# KiCad board netrazr_rev2.kicad_pcb (continued)
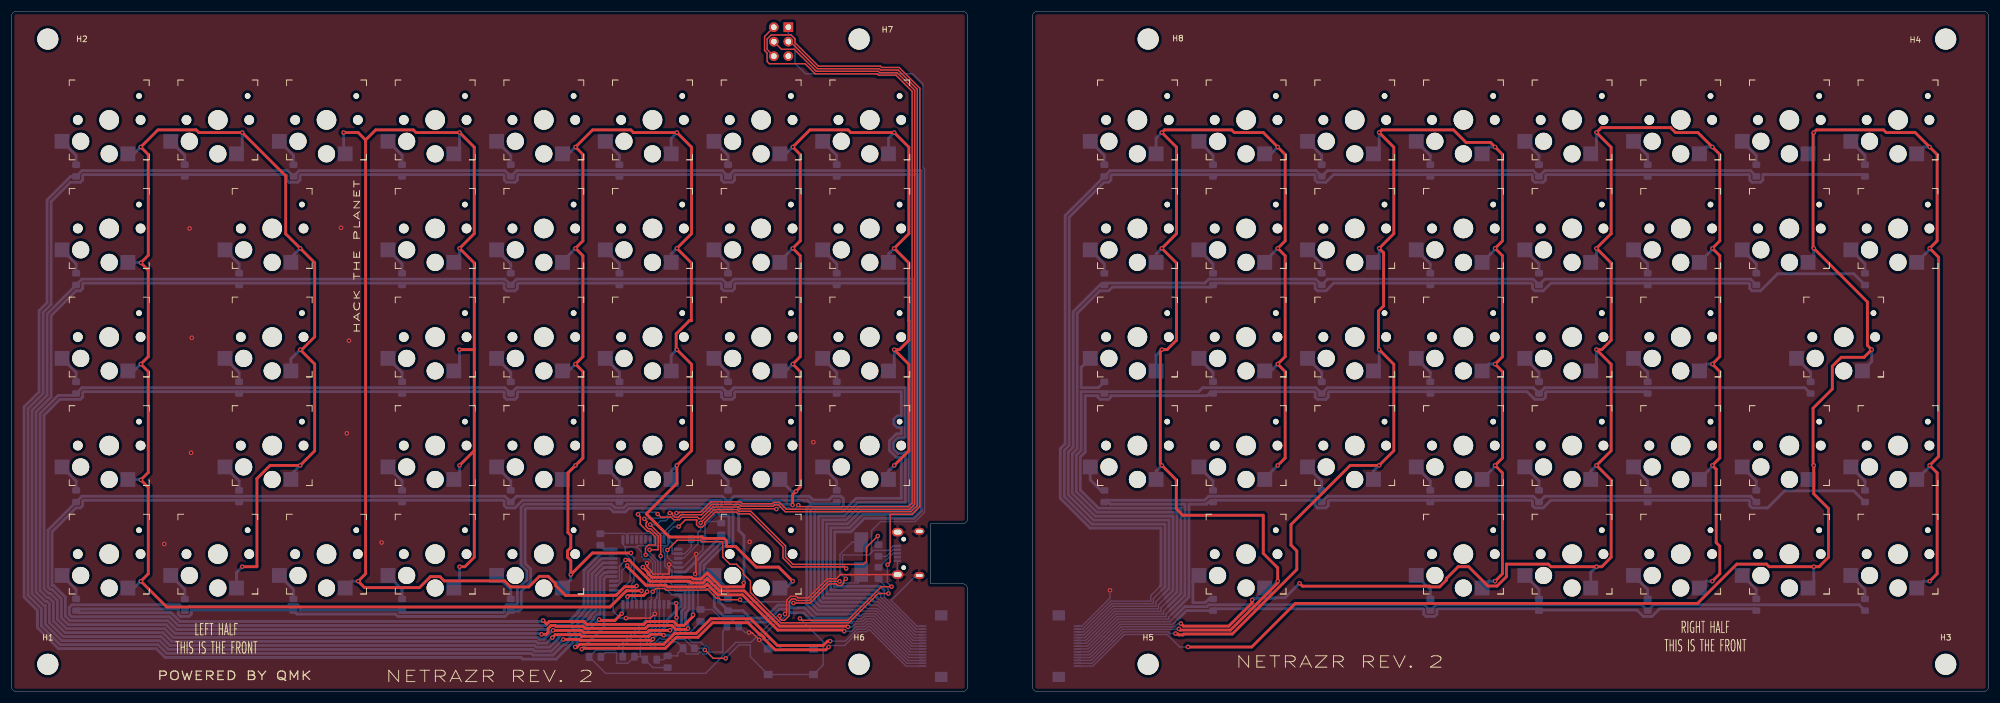
[diagram p0: board, top side]
## Routing (per net, layer and track width the routed paths; a pad name or vN(x,y) marks a point on that pad's centre or on a via; arc(x,y) is an arc through that point) (continued)
Net-(D17-Pad2): length 5.1
  Bottom w0.5: K17.2 39.92,75.06 D17.2
Net-(D18-Pad2): length 5.1
  Bottom w0.5: K18.2 68.5,75.06 D18.2
Net-(D19-Pad2): length 5.1
  Bottom w0.5: D19.2 87.55,75.06 K19.2
Net-(D20-Pad2): length 5.1
  Bottom w0.5: D20.2 106.6,75.06 K20.2
Net-(D21-Pad2): length 5.1
  Bottom w0.5: K21.2 125.64,75.06 D21.2
Net-(D22-Pad2): length 5.1
  Bottom w0.5: K22.2 144.69,75.06 D22.2
Net-(D23-Pad2): length 5.1
  Bottom w0.5: D23.2 191.62,75.06 K23.2
Net-(D24-Pad2): length 5.1
  Bottom w0.5: D24.2 210.67,75.06 K24.2
Net-(D25-Pad2): length 5.1
  Bottom w0.5: K25.2 229.71,75.06 D25.2
Net-(D26-Pad2): length 5.1
  Bottom w0.5: D26.2 248.76,75.06 K26.2
Net-(D27-Pad2): length 5.1
  Bottom w0.5: D27.2 267.81,75.06 K27.2
Net-(D28-Pad2): length 5.1
  Bottom w0.5: D28.2 286.87,75.06 K28.2
Net-(D29-Pad2): length 5.1
  Bottom w0.5: D29.2 305.91,75.06 K29.2
Net-(D30-Pad2): length 5.1
  Bottom w0.5: K30.2 324.96,75.06 D30.2
Net-(D31-Pad2): length 5.1
  Bottom w0.5: 11.35,54.36 11.35,56 K31.2
Net-(D32-Pad2): length 5.1
  Bottom w0.5: 39.92,54.36 39.92,56 K32.2
Net-(D33-Pad2): length 5.1
  Bottom w0.5: K33.2 68.5,56 68.5,54.36
Net-(D34-Pad2): length 5.1
  Bottom w0.5: 87.55,54.36 87.55,56 K34.2
Net-(D35-Pad2): length 5.1
  Bottom w0.5: K35.2 106.6,56 106.6,54.36
Net-(D36-Pad2): length 5.1
  Bottom w0.5: K36.2 125.64,56 125.64,54.36
Net-(D37-Pad2): length 5.1
  Bottom w0.5: 144.69,54.36 144.69,56 K37.2
Net-(D38-Pad2): length 10.3
  Bottom w0.5: K38.2 187.54,56.88 187.54,53.34 190.59,53.34 191.62,54.36
Net-(D39-Pad2): length 5.1
  Bottom w0.5: K39.2 210.67,56 210.67,54.36
Net-(D40-Pad2): length 5.1
  Bottom w0.5: K40.2 229.71,56 229.71,54.36
Net-(D41-Pad2): length 5.1
  Bottom w0.5: 248.76,54.36 248.76,56 K41.2
Net-(D42-Pad2): length 5.1
  Bottom w0.5: 267.81,54.36 267.81,56 K42.2
Net-(D43-Pad2): length 5.1
  Bottom w0.5: 286.87,54.36 286.87,56 K43.2
Net-(D44-Pad2): length 5.1
  Bottom w0.5: 312.96,58.48 315.44,56 315.44,54.36
Net-(D45-Pad2): length 5.1
  Bottom w0.5: D45.2 11.35,36.96 K45.2
Net-(D46-Pad2): length 5.1
  Bottom w0.5: D46.2 39.92,36.96 K46.2
Net-(D47-Pad2): length 5.1
  Bottom w0.5: K47.2 68.5,36.96 D47.2
Net-(D48-Pad2): length 5.1
  Bottom w0.5: D48.2 87.55,36.96 K48.2
Net-(D49-Pad2): length 5.1
  Bottom w0.5: K49.2 106.6,36.96 D49.2
Net-(D50-Pad2): length 5.1
  Bottom w0.5: K50.2 125.64,36.96 D50.2
Net-(D51-Pad2): length 5.1
  Bottom w0.5: D51.2 144.69,36.96 K51.2
Net-(D52-Pad2): length 5.5
  Bottom w0.5: K52.2 189.14,37.17 190.99,35.31 D52.2
Net-(D53-Pad2): length 5.1
  Bottom w0.5: D53.2 210.67,36.96 K53.2
Net-(D54-Pad2): length 5.1
  Bottom w0.5: D54.2 229.71,36.96 K54.2
Net-(D55-Pad2): length 5.1
  Bottom w0.5: K55.2 248.76,36.96 D55.2
Net-(D56-Pad2): length 5.1
  Bottom w0.5: D56.2 267.81,36.96 K56.2
Net-(D57-Pad2): length 5.1
  Bottom w0.5: D57.2 286.87,36.96 K57.2
Net-(D58-Pad2): length 5.1
  Bottom w0.5: K58.2 305.91,36.96 D58.2
Net-(D59-Pad2): length 5.1
  Bottom w0.5: D59.2 324.96,36.96 K59.2
Net-(D60-Pad2): length 5.1
  Bottom w0.5: K60.2 11.35,17.91 D60.2
Net-(D61-Pad2): length 5.1
  Bottom w0.5: D61.2 30.39,17.91 K61.2
Net-(D62-Pad2): length 5.1
  Bottom w0.5: D62.2 49.45,17.91 K62.2
Net-(D63-Pad2): length 5.1
  Bottom w0.5: K63.2 68.5,17.91 D63.2
Net-(D64-Pad2): length 5.1
  Bottom w0.5: D64.2 87.55,17.91 K64.2
Net-(D65-Pad2): length 5.1
  Bottom w0.5: K65.2 125.64,17.91 D65.2
Net-(D66-Pad2): length 9
  Bottom w0.5: K66.2 207.14,19.33 207.14,15.62 209.31,15.62 209.96,16.27 D66.2
Net-(D67-Pad2): length 5.1
  Bottom w0.5: K67.2 248.76,17.91 D67.2
Net-(D68-Pad2): length 5.1
  Bottom w0.5: K68.2 267.81,17.91 D68.2
Net-(D69-Pad2): length 5.1
  Bottom w0.5: K69.2 286.87,17.91 D69.2
Net-(D70-Pad2): length 5.1
  Bottom w0.5: K70.2 305.91,17.91 D70.2
Net-(D71-Pad2): length 5.1
  Bottom w0.5: D71.2 324.96,17.91 K71.2
Net-(J1-Pad2): length 3.8
  Bottom w0.25: J1.2 154.58,24.91 153.41,23.74 152.02,23.74
Net-(J1-Pad3): length 4.3
  Bottom w0.25: 152.02,21.85 152.16,21.85 154.56,24.26 J1.3
Net-(R2-Pad1): length 57.5
  Top w0.25: v1(115,24.85) 116.72,26.57 120.83,26.57 121.08,26.31 124.72,26.31 124.72,23.62 125.99,22.35 127.12,22.35 128.32,21.16 128.32,20.65 129.57,19.4 129.57,17.39 134.88,12.07 146.82,12.07 151.96,17.22 v1(153.76,17.22)
  Bottom w0.25: U1.4 116.04,22.6 115,23.63 v1(115,24.85) ; 152.02,19.8 152.02,19.68 153.76,17.94 v1(153.76,17.22)
Net-(R3-Pad1): length 50.6
  Top w0.25: v1(151.89,27.31) 149.92,25.33 149.92,22.86 149.38,22.33 137.01,22.33 135.72,23.62 135.72,25.57 129.65,31.64 127.58,31.64 127.27,31.95 123.17,31.95 v1(120.85,29.62)
  Bottom w0.25: U1.3 117.86,23.4 120.35,25.89 120.35,27.93 120.85,28.43 v1(120.85,29.62) ; v1(151.89,27.31) 151.89,25.92 152.02,25.79
Net-(R4-Pad2): length 2.5
  Bottom w0.5: U1.33 103.93,25 103.26,25.68

## Copper pours and planes (outline as drawn; the poured copper is in the pictures)
GND on Top: 346.64,0 179,0 179,119.38 346.64,119.38
GND on Top: 157.6,33.18 138.4,33.18 138.4,98.78 157.6,98.78
GND on Top: 167.64,0 0,0 0,119.38 167.64,119.38
GND on Bottom: 158.75,52.58 6.1,52.58 6.1,80.14 158.75,80.14
GND on Bottom: 167.64,0 0,0 0,119.38 167.64,119.38
GND on Bottom: 159.38,29.72 6.1,29.72 6.1,91.06 6.35,91.31 159.38,91.31
GND on Bottom: 346.64,0 179,0 179,119.38 346.64,119.38

## Text on the board
F.Silkscreen: LEFT HALF / THIS IS THE FRONT | RIGHT HALF / THIS IS THE FRONT | HACK THE PLANET | POWERED BY QMK | NETRAZR REV. 2
